# Allegro board A733_PRO2_AXP318_LPDDR4_4X_200BALL_32X1_V1_1.brd (continued)
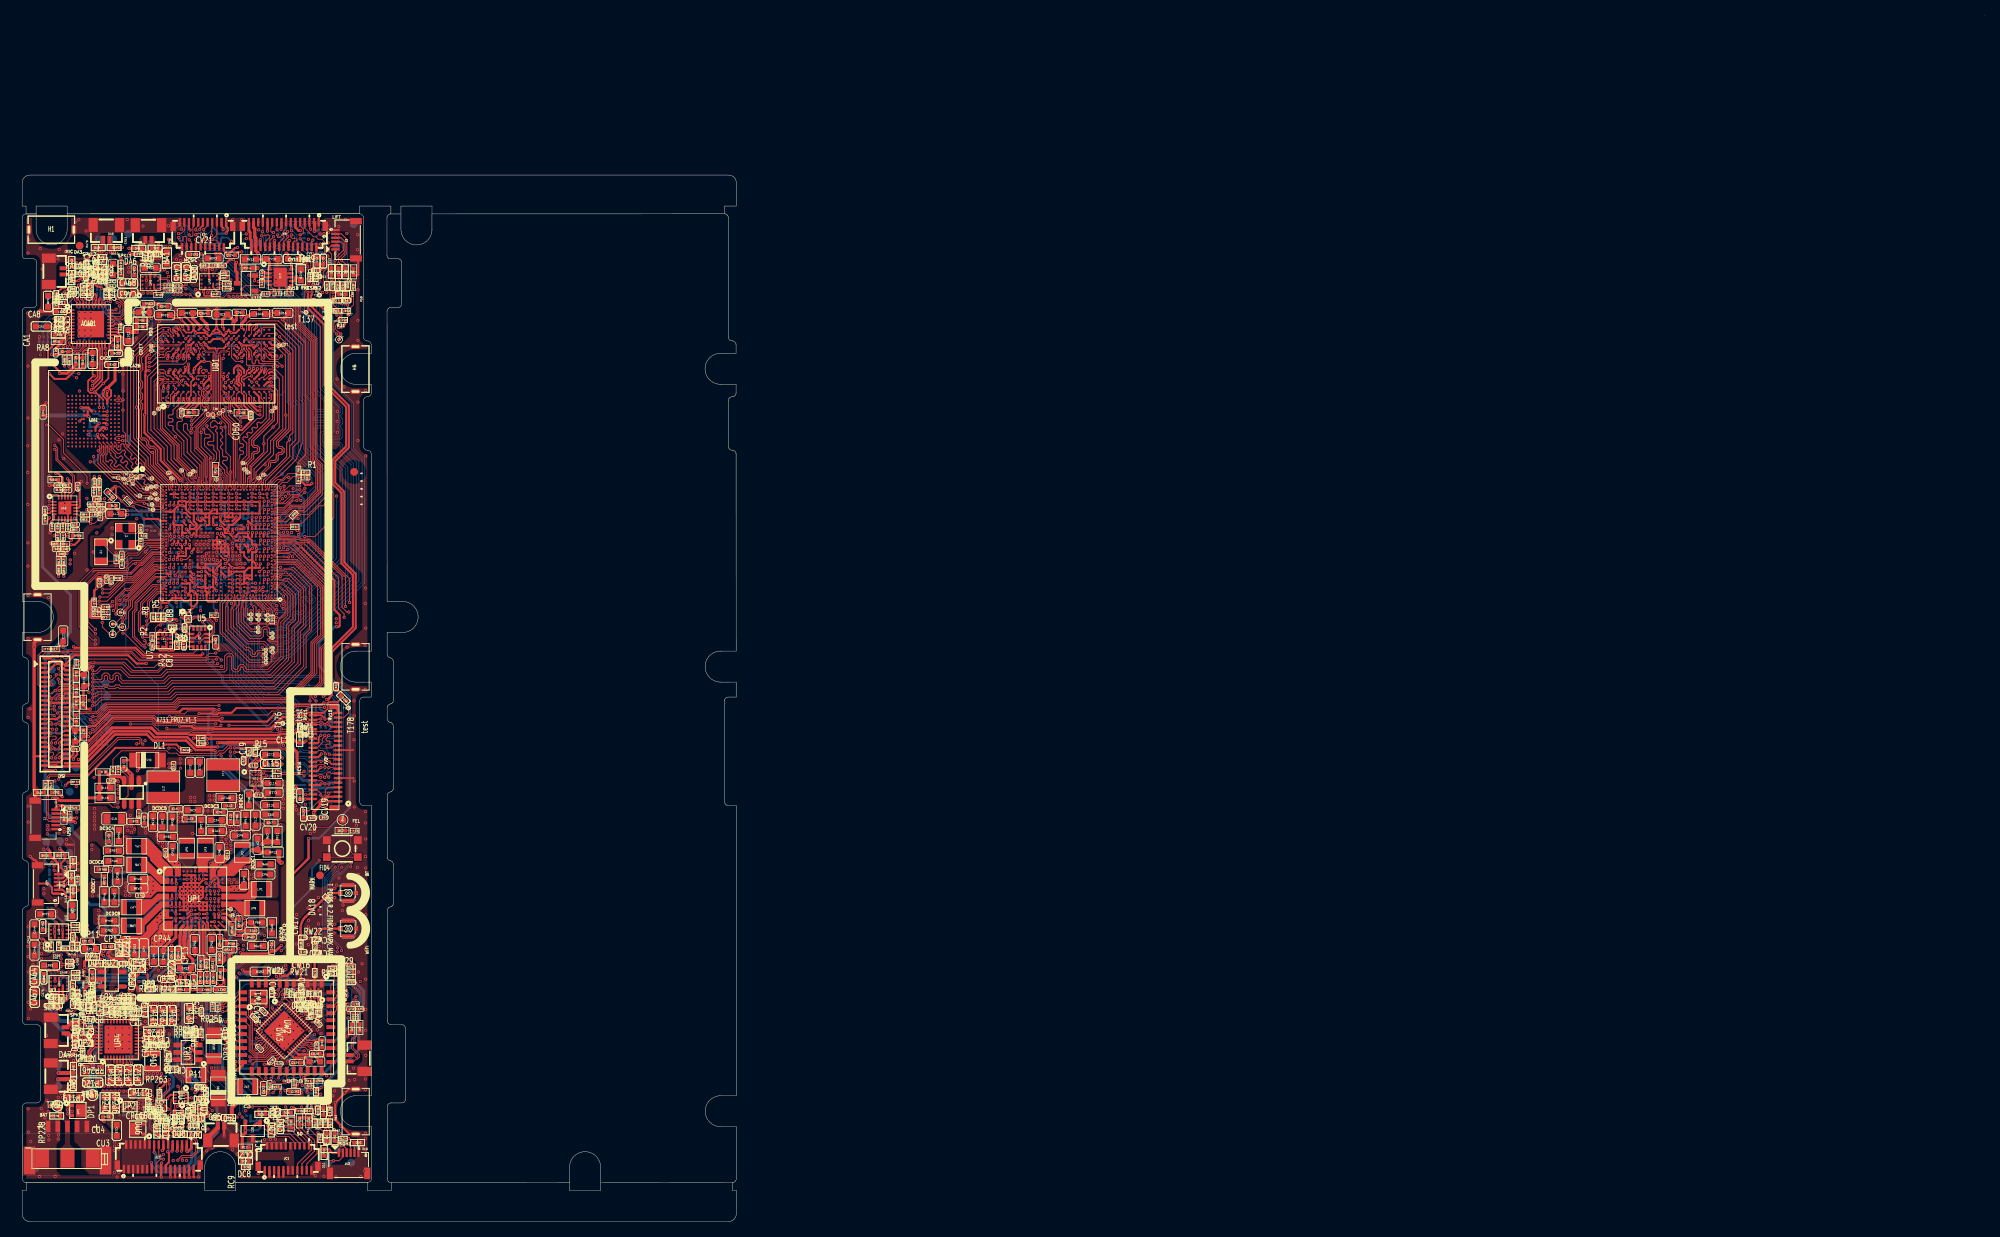
[diagram p0: board, top side]
## Routing (per net, layer and track width the routed paths; a pad name or vN(x,y) marks a point on that pad's centre or on a via; arc(x,y) is an arc through that point) (continued)
  TOP w0.254: 21.32,40.67 v1(21.31,40.66) ; 21.32,40.67 UP1.K7 ; 21.32,40.67 21.32,40.67 UP1.J6 ; v1(21.31,40.66) 21.3,40.67 UP1.K5 ; v1(21.31,40.66) 21.32,40.65 UP1.L6 20.84,40.17 ; v1(20.79,43.19) 20.82,43.22 UP1.D5 21.32,43.67 ; v1(20.79,43.19) 20.81,43.17 ; v1(20.79,43.19) 20.77,43.17 UP1.E4 20.34,43.15 v1(20.34,42.65) ; 26.62,91.39 U1.1Y11 ; 26.62,91.39 26.63,91.39 27.09,91.39 U1.1AA10 ; 26.62,91.39 v1(26.62,91.4) 26.61,91.39 26.16,91.39 U1.1AA12 ; U1.1R7 U1.1R6 ; U1.1R6 29.12,88.84 v1(29.16,88.87) ; U1.1R6 29.62,87.85 U1.1N5 U1.1N4 30.2,87.28 v1(30.2,86.84) 30.2,86.43 U1.1L4 U1.1L5 U1.1J5 U1.1J6 ; v1(3.7,63.02) 3.69,63.02 3.67,63.03 ; U1.1AA14 U1.1AB14 24.65,91.85 v1(24.63,91.88) 24.12,91.38 U1.1AA16 ; CW23.1 31.64,16.74 v1(31.76,16.86) ; CW19.2 28.63,32.23 v1(28.43,32.43) ; D5.1 39.87,121.58 39.93,121.53 v1(39.93,121.51) ; v1(4.25,31.01) 4.25,31.43 4.24,31.44 UA4.B4 ; v1(25.09,112.45) 24.89,112.65 UD1.K9 24.05,112.74 v1(23.7,113.08) 23.7,113.15 UD1.J10 ; v1(2.51,36.46) 2.74,36.46 3.07,36.13 CA55.2 ; U1.J36 18.73,83.6 v1(19,83.33) 19.12,83.46 U1.1F26 ; v1(22.02,79.24) 21.19,78.41 U5.A1 ; CW25.2 32.5,20.35 v1(32.42,20.27) ; U1.1U4 30.1,89.38 30.1,89.79 30.15,89.84 v1(30.15,89.89) ; 21.32,43.67 21.32,43.67 UP1.E6 ; 21.32,43.67 UP1.D7 21.82,43.67 ; v1(32.59,113.07) 32.23,113.07 UD1.AB10 ; 6.94,63.43 CL20.1 6.24,63.93 JL1.28 5.08,63.93 v1(4.85,64.16) ; 6.94,63.43 DL7.1 ; 6.94,63.43 6.99,63.48 DL4.1 6.8,64.47 6.12,65.15 5.37,65.15 5.35,65.13 ; v1(22.32,42.65) 22.32,42.65 UP1.G8 ; v1(22.32,42.65) 22.3,42.67 21.82,42.67 ; v1(22.32,42.65) 22.32,42.65 ; UD1.AB3 32.27,107.85 32.36,107.76 v1(32.36,107.74) ; U1.1AD12 25.73,92.85 v1(25.63,92.95) ; v1(26.63,92.95) 26.73,92.85 U1.1AD10 ; v1(32.76,29.3) 32.76,29.37 32.3,29.83 CW11.1 ; CA24.2 7.58,121.71 v1(7.3,121.42) 7.21,121.34 DA4.1 ; RL7.2 30.06,60.01 v1(30.26,59.82) ; 20.82,42.66 UP1.F5 ; 20.82,42.66 20.81,42.65 v1(20.34,42.65) ; 20.82,42.66 v1(20.82,42.29) ; UP1.F5 21.31,42.67 v1(21.31,42.67) ; UP1.F5 20.82,43.15 20.81,43.17 ; 22.82,40.67 22.78,40.71 v1(22.31,40.71) ; 22.82,40.67 22.84,40.69 v1(22.84,41.12) ; 22.82,40.67 UP1.K9 23.26,40.67 v1(23.29,40.7) ; 22.82,40.67 22.82,40.29 22.94,40.17 UP1.L10 ; v1(40.08,119.88) 40.63,119.88 D1.1 ; CD3.2 14.41,117.3 v1(14.4,117.28) ; UP1.L10 UP1.L11 23.82,40.53 23.82,40.54 23.82,40.69 ; UP1.L10 23.29,40.2 v1(23.29,40.7) ; U7.4 17.54,76 v1(17.78,76.25) ; U1.1AC22 21.1,92.33 20.71,92.33 v1(20.63,92.41) ; v1(27.28,88.29) 27.34,88.35 U1.1R9 ; U1.1K24 U1.1K23 U1.1K22 ; U1.1K24 20.12,86.22 v1(20.22,86.32) ; U1.1K24 20.02,85.74 v1(20.02,85.4) ; U1.1E5 U1.1G5 ; U1.1E5 U1.1D5 ; U1.1E5 29.22,83.35 v1(29.12,83.26) ; U1.1G5 U1.1G4 U1.1G3 ; U1.1G5 29.2,84.35 28.7,83.85 U1.1F7 U1.1E7 U1.1D7 U1.1C7 ; C110.2 38.83,14.6 D7.1 38.84,15.11 38.69,15.26 v1(38.69,15.49) ; DU10.1 22.23,13.47 21.93,13.77 v1(21.93,13.89) 21.93,14.3 CU6.1 22.09,14.47 UU2.C2 ; UD1.E1 20.8,105.83 v1(20.84,105.8) ; CW26.2 29.56,26.67 v1(29.56,27.05) ; RP254.2 21.66,23.99 22.13,24.46 22.25,24.46 RP256.2 ; UD1.G5 22.1,109.88 v1(22.23,110.01) 22.23,110.15 23.04,110.97 v1(23.48,110.97) ; U1.1AD16 23.73,92.85 v1(23.63,92.95) ; 2.13,43.6 3.37,43.6 3.84,43.13 3.84,42.43 3.97,42.3 JA7.6 ; U1.AF36 17.77,90.4 17.52,90.65 15.73,90.65 v1(15.72,90.64) ; v1(16.36,109.79) 16.02,109.79 15.95,109.71 ; U1.1AA17 U1.1Y17 ; v1(30.72,126.68) 30.68,126.65 30.68,126.46 30.73,126.41 JV1.26 ; v1(20.12,92.43) 20.12,92.34 U1.1AB25 ; DL3.1 6.99,67.19 DL6.1 ; C88.2 21.26,76.83 v1(21.51,76.58) ; v1(29.94,121.39) 30,121.44 QV1.2 ; U1.1C17 U1.1D17 U1.1E17 ; v1(20.8,111.3) UD1.E8 ; v1(27.55,108.22) 27.59,108.22 UD1.T3 ; U1.1V21 U1.1U21 22.16,89.35 22.5,89.69 22.5,89.98 U1.1W20 U1.1AA20 ; UP2.A1 13.09,15.21 13.07,15.23 12.98,15.23 v1(12.89,15.32) ; DC2.1 36.4,13.4 v1(36.35,13.36) 36.32,13.39 DC4.1 ; UD1.T10 v1(28.32,113.08) 28.37,113.03 v1(29.79,113.03) ; 1.55,60.01 1.57,60.03 JL1.41 ; RP250.2 18.29,23.34 v1(18.13,23.5) CP124.1 ; RP257.2 19.1,21.6 19.1,21.91 v1(19.05,21.96) ; U1.1E21 22.05,82.93 v1(22.15,82.93) ; v1(23.4,119.99) 23.4,120.19 23.63,120.42 UA2.B1 ; v1(6.07,34.38) 6.07,34.44 5.82,34.69 CA56.2 ; UW2.31 36.81,19.07 v1(36.28,18.54) 36.66,18.16 RW4.1 ; v1(30.12,81.23) 30.02,81.33 29.96,81.33 29.93,81.35 U1.1A5 ; DC3.1 v1(33.26,13.29) ; v1(14.92,29.84) 14.92,29.86 14.89,29.88 14.89,30.1 CP25.1 ; v1(22.31,40.71) 22.28,40.67 UP1.K7 ; v1(22.31,40.71) 22.32,40.72 UP1.J8 ; UP1.F9 22.34,42.67 22.32,42.65 ; UP1.F9 23.26,42.67 23.27,42.66 ; UP1.F9 22.82,42.2 v1(22.84,42.18) ; UP1.F9 22.82,43.17 ; 5.35,65.13 5.04,65.13 v1(4.92,65.25) 4.5,64.83 JL1.25 ; 5.35,65.13 JL1.24 ; C85.2 9.8,79.07 v1(10.04,79.31) 10.07,79.29 10.49,79.29 C84.2 10.5,78.66 R22.1 ; UP1.G8 22.32,42.17 v1(21.85,42.17) ; UP1.G8 UP1.J8 ; UP1.G8 22.34,42.18 v1(22.84,42.18) ; U1.1M22 U1.1M21 21.62,87.27 v1(21.55,87.35) ; CA79.2 CA80.2 v1(3.51,94.98) ; U1.1D15 U1.1C15 U1.1B15 24.24,81.85 v1(24.12,81.74) 23.74,81.74 U1.1B17 ; C95.1 24.55,13.39 v1(24.37,13.56) ; v1(22.88,75.83) 22.8,75.75 22.74,75.75 22.28,75.3 U2.6 ; C89.2 24.95,74.14 25.26,73.84 25.28,73.84 v1(25.37,73.75) ; 20.84,40.17 20.82,40.18 UP1.K5 ; 20.84,40.17 UP1.L4 ; U1.1A17 23.75,81.23 v1(24.12,81.23) 23.77,80.88 U1.B23 ; UD1.G8 21.77,112.19 v1(21.77,112.24) ; D3.1 40.84,122.11 D2.1 40.81,121.72 40.88,121.66 v1(40.88,121.59) ; v1(21.66,127.94) 21.51,128.09 JV3.17 ; U1.B29 U1.B28 U1.A28 ; CA89.2 4.12,86.83 RA65.1 3.68,87.45 3.68,87.45 v1(3.68,87.53) ; J2.1 v1(40.39,124.85) ; v1(29.82,110.05) 29.82,109.95 29.32,109.45 UD1.V5 ; 21.82,42.67 UP1.F7 21.32,42.67 ; 21.82,42.67 21.82,43.15 v1(21.84,43.17) ; 21.82,42.67 21.82,42.19 21.84,42.17 ; UP1.J8 22.31,41.16 v1(21.85,41.16) ; UP1.J8 22.79,41.17 v1(22.84,41.12) ; v1(32.85,123.43) 32.94,123.52 CV10.2 ; v1(25.06,80.02) 25.37,80.33 U1.A19 ; v1(37.36,95.24) 37.18,95.06 36.46,95.06 36.01,95.51 R4.1 ; UD1.AB8 32.04,111.85 v1(32.28,111.61) ; U1.1Y8 27.99,90.72 27.99,90.71 27.75,90.47 27.74,90.47 U1.1W9 U1.1V10 U1.1V11 26.62,89.54 v1(26.54,89.46) 26.44,89.35 U1.1U12 U1.1T12 26.5,88.85 v1(26.57,88.92) ; CA16.1 8.24,124.03 8.96,124.75 v1(8.96,124.76) ; UD1.P12 26.3,114.7 v1(26.29,114.7) 26.29,114.54 UD1.N11 25.62,114.63 v1(25.55,114.63) 25.55,114.78 v1(25.05,115.28) 24.61,114.84 v1(24.61,114.68) 24.19,114.25 UD1.K11 23.82,114.49 v1(23.82,114.69) 23.45,115.05 UD1.J12 ; JV3.20 20.61,125.81 20.04,125.81 19.13,126.71 v1(18.87,126.71) ; v1(28.32,112.28) 28.32,112.22 UD1.T8 ; 23.27,42.66 23.27,42.83 23.32,42.89 UP1.E10 22.84,43.17 v1(22.83,43.18) ; 23.27,42.66 23.27,42.47 23.32,42.42 UP1.G10 ; CP58.1 29.71,37.16 CP55.1 30.05,38.06 CP59.1 28.82,38.58 v1(28.76,38.52) 28.68,38.44 28.61,38.44 28.3,38.13 CP2.1 ; v1(31.24,88.85) 31.12,88.74 U1.1R2 ; DC1.1 34.52,12.98 v1(34.12,13.38) 33.81,13.7 DC6.1 ; v1(22.37,114.65) 22.37,114.78 UD1.G12 22.1,115.46 v1(22.17,115.53) ; U1.1A21 22.05,81.35 v1(22.17,81.23) 22.28,81.13 22.31,81.13 22.57,80.87 U1.B26 ; UP1.B7 21.82,44.21 v1(21.78,44.17) 21.82,44.13 21.82,43.67 ; UP1.B7 21.27,44.67 v1(21.22,44.71) 21.18,44.67 UP1.B5 ; UP1.B7 UP1.B8 22.32,44.18 v1(22.31,44.17) 22.32,44.16 UP1.E8 ; 6.55,48.62 5.78,48.62 v1(5.7,48.7) ; UD1.D11 20.15,114.41 v1(19.86,114.7) ; UD1.G10 21.69,113.05 21.22,113.05 v1(21.18,113.08) ; v1(31.64,12.38) 31.78,12.24 32.11,12.24 DC7.1 ; UD1.Y8 v1(30.25,111.56) ; 21.84,42.17 UP1.G6 ; 21.84,42.17 v1(21.85,42.17) ; UP1.G4 20.32,42.63 v1(20.34,42.65) ; UP1.G4 20.7,42.17 v1(20.82,42.29) ; UP1.G4 20.32,41.84 20.49,41.67 20.66,41.67 20.66,41.67 UP1.H5 ; 20.82,41.16 20.83,41.17 UP1.J6 ; 20.82,41.16 UP1.K5 ; 20.82,41.16 UP1.H5 ; v1(19.74,109.86) 19.5,109.62 UD1.C5 19.5,109.33 v1(19.81,109.02) 19.81,108.99 UD1.D4 ; 32.47,5.73 32.48,5.74 JC1.5 ; v1(21.84,43.17) 21.84,43.65 21.82,43.67 ; v1(21.84,43.17) 21.84,43.17 UP1.E6 ; v1(21.84,43.17) 22.32,43.17 UP1.E8 ; 21.32,42.67 v1(21.31,42.67) ; 21.32,42.67 21.32,42.66 UP1.G6 ; v1(21.31,42.67) 21.31,43.16 UP1.E6 ; v1(40.22,11.89) 40.3,11.8 D9.1 ; v1(24.16,109.01) 24.16,108.76 UD1.K4 ; v1(29.27,111.32) 29.25,111.34 UD1.V8 ; J2.7 43.33,123.97 43.33,122.17 43.26,122.1 D4.1 ; UP1.H5 v1(21.32,41.67) UP1.H7 21.82,41.67 ; UP1.H5 20.82,42.28 ; UP5.C2 18.4,14.96 18.83,14.53 v1(18.83,14.47) ; v1(41.96,23.93) 42.49,24.46 DA2.1 ; v1(42.11,26.91) 42.15,26.95 CA12.2 ; 21.82,43.67 22.82,43.67 ; 20.82,42.28 v1(20.82,42.29) ; 20.82,42.28 20.93,42.17 UP1.G6 ; v1(39.26,18.79) 38.67,19.39 UW2.33 ; v1(21.85,41.16) 21.84,41.17 UP1.J6 ; v1(21.85,41.16) 21.85,41.64 21.82,41.67 ; v1(21.85,41.16) 21.82,41.13 UP1.K7 ; v1(22.84,41.12) 22.89,41.17 UP1.J10 ; v1(22.84,41.12) 22.84,41.65 22.82,41.67 ; RW33.2 35.33,17.55 35.52,17.74 v1(35.52,17.79) ; CW28.1 31.71,20.28 v1(31.21,20.28) ; CV17.2 35.81,55.61 v1(35.24,56.18) ; U1.1AD8 27.73,92.85 v1(27.63,92.95) ; v1(4.24,30.33) UA4.B1 4.24,29.57 v1(4.21,29.54) ; UD1.Y12 30.55,114.97 v1(30.22,114.65) 29.9,114.32 UD1.W11 ; 22.82,41.67 22.82,42.17 v1(22.84,42.18) ; 22.82,41.67 UP1.H9 23.1,41.67 23.32,41.9 23.32,42.17 UP1.G10 ; 22.82,41.67 21.82,41.67 ; DA13.1 7.03,46.17 7.18,46.17 v1(7.19,46.19) ; U1.1H14 U1.1H17 U1.1G17 v1(23.13,84.35) U1.1G19 U1.1H19 ; DU12.1 17.37,12.11 17.22,12.27 v1(16.86,12.27) ; 27.3,102.02 27.3,102.11 28.31,102.11 29.46,103.26 CD50.2 29.4,103.67 v1(28.18,103.67) ; v1(30.54,14.44) 30.48,14.38 DC5.1 ; v1(17.87,113.79) UD1.A10 ; U1.1AD18 22.73,92.85 v1(22.63,92.95) ; 22.82,43.67 UP1.D9 22.93,43.67 23.26,44 23.26,44.03 v1(23.4,44.17) UP1.C11 ; 22.82,43.67 22.82,43.19 v1(22.83,43.18) ; UP1.E8 22.32,42.65 ; UP1.E8 22.82,43.17 22.82,43.17 ; v1(23.29,40.7) 23.32,40.73 UP1.J10 ; v1(23.29,40.7) 23.81,40.7 23.82,40.69 ; v1(19.35,111.48) 19.5,111.64 UD1.C8 19.5,111.86 v1(19.87,112.23) 20.15,112.51 UD1.D9 ; CL19.2 7.09,60.26 6.6,59.77 v1(6.6,59.65) ; v1(28.63,92.95) 28.73,92.85 U1.1AD6 ; U1.1V25 19.62,89.36 v1(19.63,89.35) 19.62,89.34 U1.1T25 ; U1.1V25 19.51,89.97 19.51,90.27 v1(19.6,90.36) ; U1.1V25 U1.1V24 U1.1V23 ; v1(3.59,88.85) 3.86,89.12 CA91.2 ; v1(39.54,64.87) 39.54,64.9 40.26,65.62 JV2.39 40.73,65.94 JV2.40 ; UD1.T12 27.56,114.67 v1(26.94,114.67) ; UD1.W4 30.55,109.3 UD1.Y5 30.83,109.74 v1(30.83,110.03) ; UP1.J6 UP1.G6 ; v1(23.96,117.68) 23.95,117.67 CD54.2 ; v1(27.22,124.1) 26.79,124.1 CA36.2 ; v1(38.53,56.46) 38.38,56.32 JV2.8 ; v1(10.93,102.86) 10.78,103.01 UM1.G5 ; v1(28.32,125.11) 27.88,125.11 CV24.2 ; UP1.E6 20.81,43.17 ; UA3.B1 4.22,37.09 4.18,37.13 4.18,37.19 v1(4.19,37.2) 4.18,37.2 4.18,37.7 v1(4.19,37.71) 4.18,37.71 4.18,38.07 UA3.B4 ; RD5.2 25.02,97.45 v1(25.5,96.97) ; v1(22.84,42.18) 22.85,42.17 UP1.G10 ; H2.1 42.11,17.08 v1(40.37,15.34) 40.37,13.11 42.2,11.28 H2.2 ; v1(22.83,43.18) 22.82,43.17 ; v1(29.4,115.7) 29.25,115.55 UD1.V12 ; v1(26.26,106.8) UD1.N2 ; v1(18.23,107.49) 18.23,107.5 18.22,107.52 18.22,107.84 UD1.A3 ; v1(25.94,109.01) 26,108.95 UD1.N4 ; UD1.D2 v1(19.78,106.68) 19.5,106.4 UD1.C1 19.5,105.68 v1(19.54,105.64) ; U1.1T22 U1.1T23 20.62,88.5 v1(20.71,88.41) ; UD1.E5 21.03,109.68 v1(21.03,110.21) ; UM1.E7 9.46,102.51 v1(9.93,102.98) ; C37.2 12.16,83.03 RW38.1 ; CA100.2 v1(5.91,88.89) ; 22.11,5.78 JU1.31 ; UV1.9 33.79,122.33 UV1.11 UV1.8 ; 21.82,41.67 21.82,42.14 v1(21.85,42.17) ; 23.82,40.69 23.82,40.89 23.82,40.9 UP1.J11 UP1.J10 ; v1(10.37,82.14) 10.35,82.16 C20.2 ; 15.95,109.71 15.95,111.53 16.28,111.86 v1(16.4,111.86) ; 15.95,109.71 15.9,109.66 15.9,109.16 15.88,109.14 15.88,104.22 v1(15.77,104.1) 15.77,101.76 16.59,100.94 v1(16.59,100.93) 17.86,99.66 17.86,98.18 20.37,95.67 v1(20.37,95.58) ; UD1.N9 26.34,112.99 v1(26.34,113.06) 26.65,113.37 UD1.P10 ; 10.3,31.21 9.61,31.21 9.5,31.32 CU2.1 9.03,30.57 RU8.2 8.58,30.5 8.08,30.01 v1(8.08,29.39) ; v1(26.96,107.48) 26.65,107.79 UD1.P3 ; JV2.20 38.17,59.92 v1(38.58,60.32) ; CA27.2 4.41,117.48 RA13.2 ; CV1.2 38.47,122.69 v1(38.67,122.9) 38.82,123.04 CV2.2 38.81,123.48 CV5.2 ; v1(32.41,109.62) 32.02,109.62 UD1.AB5 ; v1(24.63,92.95) 24.73,92.85 U1.1AD14 ; UD1.K2 24.05,106.99 v1(23.83,106.77) ; U7.8 U7.9 18.59,74.59 18.61,74.61 v1(18.61,74.63) ; v1(5.91,42.75) 5.92,42.75 6,42.83 DA16.1 ; v1(21.79,103.82) 21.11,103.82 20.82,104.1 CD51.2 ; JA7.7 1.99,46.31 1.66,46.64 1.51,46.64 v1(1.06,47.09) ; UU3.6 20.24,15.09 v1(20.01,14.86) ; v1(28.04,105.88) 27.95,105.97 UD1.T1 ; UM1.P4 10.96,107.05 v1(10.98,107.07) ; J12.1 39.97,8.86 v1(39.62,9.21) 39.49,9.34 D11.1 ; v1(30.4,55.54) v1(30.03,55.9) 29.73,56.21 29.73,56.26 29.69,56.3 UL1.E1 ; v1(37.82,5.89) 37.28,6.42 JC1.21 ; v1(23.62,89.89) 23.66,89.85 U1.1V16 U1.1W16 U1.1Y16 ; UD1.V1 29.25,105.67 30.32,104.6 v1(30.64,104.6) ; v1(30.61,92.85) 30.62,92.84 U1.1AC3 ; UD1.G3 22.14,107.85 v1(22.38,108.09) ; v1(18.8,79.87) 19.33,80.4 U1.A34 U1.A33 U1.A31 ; UD1.W2 30.55,106.4 UD1.Y1 30.55,105.86 v1(30.75,105.66) ; v1(5.79,86.19) CA83.1 RA61.2 ; U1.1AD22 21.04,92.94 v1(20.61,92.94) ; UD1.G1 22.1,105.86 22.02,105.77 v1(22.02,105.77) ; v1(19.88,87.35) 20.02,87.49 20.02,87.5 20.12,87.61 U1.1P24
  TOP w0.3: JV1.11 35.23,128.23 35.61,127.86 v1(35.86,127.86) ; v1(33.38,128) 33.38,128.23 33.43,128.28 JV1.17 ; JV1.14 34.33,126.39 34.44,126.49 v1(34.44,126.57) ; v1(32.56,126.56) 32.53,126.53 JV1.20 ; JV1.23 31.63,127.79 v1(31.63,127.79)
  TOP w0.305: JU1.30 21.81,9.47 21.39,9.05 v1(21.25,9.05) 21.21,9.1 JU1.28 ; CW22.1 35.83,16.76 v1(36,16.6) ; JC1.22 v1(30.43,6.19) ; v1(30.4,55.54) 30.22,55.36 CL11.1 29.36,54.99 C56.2 29.24,55.12 v1(30.03,55.9) ; v1(22.68,11.9) 22.63,11.86 DU7.1 ; CD45.2 31.8,117.09 31.89,117 31.96,117 v1(32.07,116.89) ; JL1.16 5.54,67.53 5.53,67.52 4.92,67.52 v1(4.85,67.45) ; v1(18.06,9.17) 18.08,9.17 18.21,9.3 JU1.18 ; DA10.1 v1(12.9,125.66) ; CP137.1 10.8,27.89 v1(10.78,27.91) 10.78,28.05 RU7.2 ; R24.2 9.8,78.36 C85.2 ; v1(4.3,58.2) 4.28,58.18 JL1.46 ; JL1.7 3.58,70.23 v1(3.66,70.32) ; DU8.1 19.63,11.24 19.11,11.76 19.11,11.97 v1(19.06,12.03) 19.04,12.03 18.96,12.11 DU11.1 ; UM1.K8 8.96,104.57 8.52,105.01 v1(7.58,105.01) ; CP17.1 11.48,35.06 11.07,34.64 11.07,34.48 v1(11.02,34.43) 11.03,34.43 11.54,33.92 12.92,33.92 13.27,33.57 CU1.1 ; J11.2 26.04,11.03 v1(26.04,11.02) ; v1(8.81,66.12) 8.37,66.12 DL2.1 7.56,66.92 7.55,66.92 7.3,67.17 DL3.1 ; v1(17.98,7.54) 17.91,7.48 JU1.17 17.91,5.77 v1(17.94,5.74) ; v1(39.13,11.84) 39.29,11.68 D8.1 ; v1(16.34,74.42) 16.43,74.51 C96.2 ; v1(5.84,95.83) 6.05,95.62 CA82.2 ; 33.08,5.75 JC1.7 ; v1(36.32,20.49) 36.31,20.5 CW24.2 ; v1(4.6,72.89) 4.59,72.9 3.89,72.9 3.68,72.68 JL1.47 ; JL1.37 3.32,61.23 3.6,60.95 v1(3.73,60.95) ; v1(19.97,9.09) 19.97,9.12 20.01,9.16 JU1.24 ; v1(42.37,119.35) 42.37,119.1 C86.2 ; v1(32.04,119.89) 31.85,119.7 CV15.2 ; CD35.2 11.17,94.06 v1(11.6,94.5) 11.91,94.8 v1(12.09,94.8) ; v1(19.86,114.7) 19.86,114.7 UD1.C12 ; CA76.2 4.89,27.4 v1(4.95,27.34) ; v1(18.37,19.63) 18.89,19.63 CP136.2 ; v1(23.15,16.85) 23.15,16.95 23.08,17.02 CU5.1 ; v1(33.59,116.34) 34.31,117.07 CD16.2 ; v1(3.11,105.62) 2.7,105.22 CM4.2 ; JC1.1 31.28,5.74 ; v1(19.31,9.09) 19.31,9.1 19.41,9.2 JU1.22 ; JU1.26 20.61,9.16 v1(20.54,9.09) ; CP22.1 20.34,32.5 20.9,31.94 20.9,31.91 v1(21.01,31.8) ; v1(33.55,59.8) 33.11,60.24 CL12.1 ; v1(25.1,30.72) 24.91,30.92 CP35.1 ; 33.68,5.77 JC1.9 ; JL1.40 5.29,60.33 v1(4.78,59.83) ; v1(4.64,53.65) 4.32,53.34 J1.1 ; DA7.1 v1(6.62,20.77) ; v1(23.06,16.29) 22.65,15.88 DU9.1 ; CA37.2 24.42,123.24 24.51,123.15 v1(24.51,122.82) ; CD3.2 15.71,118.01 CD55.2 ; v1(3.7,63.02) 3.69,63.03 JL1.31 ; C87.2 v1(20.47,74.54) 20.44,74.57 R36.1 19.64,76.08 R43.1 ; 20.95,5.68 20.91,5.71 JU1.27 ; v1(17.56,126.1) DA5.1 17.72,125.4 CA54.2 ; v1(5.16,54.8) 4.69,55.27 DU2.1 ; JU1.25 20.31,5.72 20.33,5.7 ; v1(21.55,5.74) 21.51,5.77 JU1.29 ; DA12.1 6.87,21.99 v1(6.19,21.31) ; v1(15.97,13.58) 15.87,13.58 15.82,13.52 CP115.2 ; DL5.1 7.21,70.91 7.63,70.48 CL18.1 7.99,70.68 8.9,71.59 9.07,71.59 v1(9.12,71.64) ; JU1.21 19.11,5.75 v1(19.12,5.74) ; CA99.2 8.75,91.86 RA69.1 ; 19.72,5.73 19.71,5.73 JU1.23 ; JL1.34 5.21,62.13 v1(4.81,61.73) ; 2.32,117.61 2.55,117.38 3.83,117.38 3.85,117.41 CA27.2 ; v1(26.96,22.5) 26.96,22.61 26.17,23.4 CW15.1 ; v1(3.8,111.84) CA14.2 4.35,111.82 4.71,111.82 5.12,112.24 CA4.1 ; v1(18.1,119.8) 17.85,119.54 RA49.1 ; 31.88,5.79 JC1.3 ; 22.17,5.73 22.11,5.78
  TOP w0.381: CD5.2 28.45,116.88 28.26,116.7 v1(28.24,116.7) ; v1(8.24,23.71) 8.24,23.91 7.86,24.29 CP129.1 ; v1(21.75,22.54) 21.75,22.41 22.34,21.82 UP3.2 ; C135.2 11.19,56.16 RL11.2 ; RU6.2 5.38,53.44 5.17,53.65 v1(4.64,53.65) ; v1(22.33,25.18) RP256.2 ; v1(25.08,117.73) 25.07,117.72 CD1.2 ; DA6.1 13.79,125.55 v1(13.77,125.56) ; v1(6.85,51.46) 6.67,51.64 5.85,51.64 5.76,51.73 DU1.1 ; CP12.1 8,35.29 CP11.1 ; CP40.1 v1(22.26,34.38) ; CP35.1 CP33.1 CP29.1 22.8,30.92 22.43,30.55 CP48.1 21.35,30.55 21.13,30.77 CP140.1 21.04,30.89 21.04,31.74 21.01,31.77 v1(21.01,31.8) ; v1(13.88,124.93) 14,124.8 CA53.2 ; CL7.1 12.98,58.45 RL13.1
  TOP w0.406: J1.7 1.67,55.08 1.81,55.22 ; v1(10.56,12.89) 10.4,13.06 CU4.2 ; H3.1 1.55,74.64 v1(1.55,74.1) 1.55,55.73 DU3.1
  TOP w0.508: v1(14.1,55.93) UL2.2 14.1,57.64 v1(13.93,57.82) 13.16,58.59 CL7.1 ; v1(6.44,24.83) DA11.1 ; UW2.20 27.54,22.37 27.41,22.5 v1(26.96,22.5)
  L3 w0.254: 8.64,68.53 8.64,68.29 v1(8.61,68.26) ; 35.04,53.9 35.22,53.71 v1(35.22,53.64) 35.36,53.5 v1(35.36,53.11) 35.69,52.78 v1(35.69,52.62) ; v1(37.15,50.06) 37.43,50.34 v1(37.66,50.34) ; 33.66,54.91 33.66,54.91 v1(33.66,54.51) v1(33.66,53.92) v1(33.66,53.31) ; 34.99,55.98 35.2,56.18 v1(35.24,56.18) ; v1(8.63,67.25) 8.6,67.28 8.6,67.75 ; v1(34.92,54.28) 34.93,54.29 v1(34.93,54.85) 34.93,55.16 34.93,55.17 ; v1(9.12,71.64) 9.12,71.92 9.08,71.95 ; 6.08,34.13 6.08,34.36 v1(6.07,34.38) ; v1(8.81,66.12) 8.62,66.3 8.62,66.68
  L4 w0.102: 16.97,86.73 17.25,87.01 19.54,87.01 v1(19.88,87.35) ; v1(20.22,86.32) 19.89,86.65 17.99,86.65 17.53,86.19 ; 35.66,97.36 35.69,97.4 v1(35.69,97.66)
  L4 w0.127: v1(3.41,80.5) 3.04,80.87 H3.2
  BOTTOM w0.102: v1(37.36,95.24) 37.36,95.92 35.69,97.59 v1(35.69,97.66) 34.49,98.87 v1(34.49,100.86) 33.99,101.36 v1(33.99,104.04) 33.93,104.1 33.93,107.19 ; v1(32.03,106.65) 33.4,106.65 33.93,107.19 ; v1(33.59,116.34) 33.93,116 33.93,107.19
  BOTTOM w0.203: CV4.2 38.44,126.1 v1(38.44,126.1) ; CD26.2 19.43,111.4 v1(19.35,111.48) ; v1(7.84,60.68) 8.08,60.68 8.09,60.69 8.68,60.69 9.54,61.55 RL18.2 RL42.2 RL38.1 ; v1(19.54,105.64) 19.54,105.64 CD23.2 ; v1(39.45,126.28) 39.36,126.37 CV6.2 ; v1(7.3,129.28) 6.67,128.65 H1.1 ; v1(39.48,127.6) 39.1,127.98 CV7.2 ; 22.79,82.55 23.1,82.24 23.17,82.24 ; v1(26.98,126.47) 26.5,126.95 CV25.2 ; CD47.2 27.85,108.51 v1(27.55,108.22)
  BOTTOM w0.254: v1(32.41,109.62) 32.7,109.33 CD8.2 ; CD49.2 28.28,116.66 v1(28.24,116.7) ; CD40.2 22.13,93.38 22.46,93.06 22.52,93.06 v1(22.62,92.95) ; C32.2 24.21,84.56 C31.2 ; C32.2 23.6,84.54 C109.2 ; C32.2 23.55,84.56 23.52,84.54 23.33,84.35 v1(23.13,84.35) ; v1(29.12,83.26) 28.55,83.84 C19.2 28.47,83.83 C14.2 27.25,83.83 v1(27.14,83.71) 27.02,83.84 C18.2 26.72,83.87 C76.2 ; v1(23.62,89.89) 23.71,89.8 C53.2 C52.2 ; v1(21.03,110.21) 21.03,110.05 CD48.2 ; v1(30.83,110.03) 30.81,110 CD25.2 ; CM8.2 21.23,91.81 v1(20.63,92.41) ; C258.2 C259.1 13.51,84.09 v1(13.58,84.16) 13.58,84.96 v1(13.5,85.04) 13.52,85.06 C257.2 ; v1(30.3,113.08) 30.35,113.13 CD21.2 ; 23.47,82.07 23.47,82.06 v1(23.18,81.76) ; C17.2 31.66,88.37 31.34,88.68 31.34,88.75 v1(31.24,88.85) ; v1(23.83,106.77) 23.88,106.72 CD7.2 ; v1(30.25,111.56) 30.49,111.8 CD33.2 ; C31.2 24.21,84.06 v1(24.23,84.05) ; C31.2 C30.2 25.56,84.56 C29.2 ; CD12.2 25.07,112.43 v1(25.09,112.45) ; CD28.2 29.51,113.31 v1(29.79,113.03) ; C41.2 21.71,89.81 C43.2 22.93,89.81 C44.2 ; RL47.1 3.77,72.95 3.85,73.03 4.46,73.03 v1(4.6,72.89) ; v1(32.36,107.74) 32.34,107.72 CD20.2 ; v1(30.22,114.65) 30.43,114.85 CD29.2 ; v1(22.88,75.83) 22.88,76.02 22.85,76.05 R37.2 21.72,76.78 v1(21.51,76.58) ; v1(15.72,90.64) 15.72,90.09 15.73,90.08 C21.2 16.56,89.72 C40.2 ; CV23.2 24.57,126.08 24.74,125.9 25.38,125.9 25.51,126.03 25.51,126.15 CV22.2 25.63,126.78 CV25.2 ; CD18.2 17.34,108.12 v1(17.45,108.23) ; C129.2 28.78,87.29 C111.2 27.99,86.79 v1(27.91,86.86) ; CL16.2 5.14,63.22 4.96,63.04 3.73,63.04 v1(3.7,63.02) 3.69,63.03 3.66,63.03 3.41,63.29 3.41,64.39 3.42,64.41 CL17.2 ; CD10.2 32.94,112.72 v1(32.59,113.07) 32.55,113.11 CD30.2 ; v1(22.02,105.77) 22.02,105.76 CD14.2 ; v1(30.15,89.89) 30.25,89.99 30.25,90.08 30.32,90.15 C9.2 ; v1(26.59,85.85) 26.59,85.63 C67.2 ; R11.2 19.33,82.76 18.83,82.76 18.55,82.47 R10.2 ; C8.2 22.5,83.27 v1(22.15,82.93) 22.28,82.8 22.32,82.8 22.46,82.66 C6.2 ; 22.7,91.48 22.7,91.49 22.09,91.49 ; C39.2 20.06,88.91 19.77,89.2 19.77,89.21 v1(19.63,89.35) 19.56,89.43 RM9.1 ; C10.2 20.12,90.46 C74.2 19.63,90.33 v1(19.6,90.36) ; v1(35.24,56.18) 35.37,56.32 CV3.2 ; v1(19.87,112.23) 19.9,112.25 CD19.2 ; C23.2 20.1,81.8 19.78,81.8 v1(19.2,81.23) ; v1(33.16,90.84) 33.71,91.39 TP42.1 ; C58.2 C75.2 29.1,88.93 29.12,88.91 ; CD6.2 17.87,113.28 v1(17.87,113.79) 17.93,113.86 CD27.2 ; v1(15.88,86.39) 16.14,86.66 C47.1 ; C16.2 29.12,88.91 ; 29.12,88.91 v1(29.16,88.87) 29.13,88.84 C15.2 29.13,88.04 C13.2 ; v1(24.06,37.62) 23.86,37.82 CP21.1 ; CV8.1 38.36,66.16 RV21.2 38.65,65.98 38.77,65.86 38.78,65.86 38.92,65.72 38.92,65.71 39.03,65.6 39.03,64.83 v1(39.04,64.82) ; C132.2 30.27,86.77 v1(30.2,86.84) ; v1(8.78,98.02) 9.34,98.02 9.8,98.48 RM3.1 ; v1(24.61,114.68) 24.75,114.54 CD15.2 25.47,114.54 v1(25.55,114.63) ; CD13.2 26.27,106.79 v1(26.26,106.8) ; v1(24.12,81.74) 24.15,81.76 C128.2 ; CD56.2 29,90.67 C133.2 29.16,90.83 C49.2 28.95,91.32 CD58.2 ; v1(23.48,110.97) 23.47,110.99 CD9.2
  BOTTOM w0.305: v1(22.62,91.93) 22.7,91.85 22.7,91.48 23.23,91.48 CD41.2 ; R66.1 22.48,80.92 v1(22.17,81.23) 21.67,81.73 C22.2 ; CD22.2 19.76,114.8 v1(19.86,114.7) ; v1(8.96,124.76) 9.23,125.03 CA77.2 ; v1(3.8,111.84) 3.84,111.88 CA33.2 ; RA36.2 5.71,46.52 5.87,46.35 v1(5.91,46.35) ; 24.73,96.2 25.07,96.55 25.07,96.61 25.33,96.86 25.39,96.86 v1(25.5,96.97) ; v1(28.37,13.47) 28.9,12.94 RC8.2 ; C48.2 20.21,86.31 v1(20.22,86.32) ; CD52.2 26.41,112.99 v1(26.34,113.06) ; C35.2 25.45,87.93 v1(25.55,87.83) ; v1(30.2,84.85) 30.01,84.85 C59.2 C60.2 C66.2 29.99,86.36 30.2,86.57 v1(30.2,86.84) ; v1(13.79,22.3) 14.08,22.01 RP248.2 RP247.2 ; RL23.2 6.07,64.23 5.82,64.48 RL22.2 5.82,64.93 5.58,65.17 5.07,65.17 4.99,65.25 v1(4.92,65.25) ; CD53.2 21.65,112.36 v1(21.77,112.24) ; v1(24.12,81.23) 23.79,80.89 R68.1 ; RA34.1 4.72,42.94 ; C44.2 23.02,89.89 v1(23.62,89.89) 23.6,89.91 C80.2 ; v1(25.5,95.4) 25.61,95.29 CD39.2 25.61,95.03 CD36.2 ; v1(9.93,102.98) 9.87,103.04 RM6.2 ; C12.2 C13.2 29.18,87.79 C129.2 ; CV14.2 31.54,121 RV20.1 32.63,120.96 v1(32.72,120.86) ; v1(29.82,110.05) 29.82,110.06 CD31.2 ; CA78.2 12.8,125.56 v1(12.9,125.66) ; RM2.1 7.91,104.68 v1(7.58,105.01) ; 3.77,42.93 3.51,43.18 RA35.1 ; v1(29.63,92.92) 29.55,92.85 29.44,92.85 29.16,92.57 C49.2 ; C5.2 14.75,91.2 C38.2 15.39,91.19 C50.2 15.4,90.96 v1(15.72,90.64) ; v1(30.83,110.03) 30.83,110.24 CD24.2 ; 26.12,92.55 26.12,92.56 26.45,92.88 26.55,92.88 v1(26.63,92.95) ; 26.12,92.55 CD43.2 ; 26.12,92.55 25.8,92.87 25.71,92.87 v1(25.63,92.95) ; CM6.2 8.67,101.38 v1(8.52,101.54) 8.73,101.75 CM1.2 ; v1(20.8,111.3) 20.94,111.44 CD11.2 ; v1(22.02,79.24) 21.79,79.01 C93.2 C92.2 ; v1(22.02,79.24) 21.27,79.99 R48.1 21.09,79.97 R14.1 20.48,79.97 R67.1 ; v1(22.02,79.24) 22.11,79.33 C7.2 ; R7.2 18.61,78.18 R9.2 18.86,78.2 C97.2 19.43,79.23 v1(18.8,79.87) ; CA34.2 2.21,114.13 v1(2.24,114.16) ; CD32.2 22.28,114.55 v1(22.37,114.65) ; CD58.2 CD56.2 ; CM7.2 26.57,88.21 v1(26.11,87.75) 26.53,87.33 26.54,87.31 v1(26.54,87.3) 26.54,87.29 26.54,87.28 26.53,87.26 26.53,87.23 v1(26.16,86.86) 26.57,86.45 C65.2 26.57,85.87 v1(26.59,85.85) 26.19,85.85 C28.2 25.96,86.43 25.68,86.71 25.68,87.15 v1(25.55,87.27) 25.5,87.32 C46.2 ; C82.2 27.76,89.91 C79.2 26.54,89.91 CD57.2 26.51,89.49 v1(26.54,89.46) ; v1(26.54,89.46) 26.39,89.3 C83.2 ; v1(26.54,89.46) 26.54,88.95 v1(26.57,88.92) ; v1(23.13,84.35) 23.03,84.46 C55.2 22.64,84.47 C36.2 ; v1(26.62,91.4) 26.42,91.2 CD44.2 ; CV13.2 30.42,126.39 v1(30.72,126.68) ; C116.2 27.09,83.67 v1(27.14,83.71) ; C68.2 27.28,88.1 v1(27.28,88.29) ; CD34.2 18.25,107.48 v1(18.23,107.49) ; RA33.2 2.96,47.74 2.79,47.9 v1(2.79,48.03) ; CM5.2 CM2.2 13.83,100.28 v1(13.62,100.07) ; R13.1 19,83.34 v1(19,83.33) 19.42,82.92 R11.2
  vias: v1(0.76,124.95) v1(0.73,117.21) v1(0.73,113.73) v1(0.76,110.39) v1(0.74,103.68) v1(0.73,100.09) v1(0.73,96.65) v1(0.73,92.52) v1(0.74,87.57) v1(0.74,84.56) v1(0.76,80.76) v1(0.77,75.21) v1(0.77,65.05) v1(0.78,53.61) v1(0.78,51.52) v1(0.78,38.02) v1(0.74,35.51) v1(0.76,34.19) v1(0.78,28.29) v1(0.77,14.54) v1(0.78,11.54) v1(0.87,126.68) v1(0.81,32.19) v1(0.81,26.2) v1(1.01,66.15) v1(1.08,27.42) v1(1.1,10.33) v1(1.39,33.67) v1(1.4,33.13) v1(2.15,12.2) v1(2.23,5.8) v1(2.32,125.55) v1(2.46,14.55) v1(2.6,122.87) v1(2.73,13.98) v1(2.93,13.36) v1(3.16,23.96) v1(3.18,15.58) v1(3.3,51.09) v1(3.3,50.55) v1(3.33,14.16) v1(3.4,11.11) v1(3.45,10.54) v1(3.51,32.42) v1(4.26,5.83) v1(4.35,54.09) v1(4.63,124.19) v1(4.66,16.03) v1(4.68,11.16) v1(4.64,10.63) v1(4.78,125.42) v1(4.74,100.86) v1(4.99,16.55) v1(5.2,101.61) v1(5.2,16.01) v1(5.38,98.44) v1(5.57,125.12) v1(5.51,16.74) v1(5.74,49.3) v1(5.86,14.96) v1(5.85,14.41) v1(5.85,13.89) v1(5.93,123.95) v1(5.89,17.15) v1(6.41,16.74) v1(6.44,14.2) v1(6.76,86.21) v1(6.98,56.15) v1(7.04,52.81) v1(7.18,45.35) v1(7.18,42.75) v1(7.34,117.31) v1(7.34,116.54) v1(7.34,115.78) v1(7.34,115.02) v1(7.34,114.26) v1(7.4,107.15) v1(8.01,32.26) v1(8.1,117.31) v1(8.1,116.54) v1(8.1,115.78) v1(8.1,115.02) v1(8.1,114.26) v1(8.25,127.81) v1(8.35,93.29) v1(8.35,84.07) v1(8.86,117.31) v1(8.86,116.54) v1(8.86,115.78) v1(8.86,115.02) v1(8.86,114.26) v1(9.14,86.37) v1(9.28,57.29) v1(9.33,53.31) v1(9.33,52.72) v1(9.33,52.21) v1(9.33,51.7) v1(9.34,51.15) v1(9.34,50.64) v1(9.44,74.51) v1(9.82,36.89) v1(10.13,129.27) v1(10.33,36.89) v1(10.59,91.41) v1(10.55,17.46) v1(10.61,90.8) v1(11.12,24.97) v1(11.12,24.08) v1(11.12,23.19) v1(11.12,22.3) v1(11.16,17.46) v1(11.56,87.58) v1(11.61,89.46) v1(11.59,88.62) v1(11.88,9.18) v1(11.99,17.46) v1(11.92,10.25) v1(11.91,9.71) v1(11.89,6.32) v1(12.01,24.97) v1(12.01,24.08) v1(12.01,23.19) v1(12.01,22.3) v1(12.12,86.27) v1(12.1,84.63) v1(12.25,5.74) v1(12.38,54.61) v1(12.33,54.04) v1(12.44,9.93) v1(12.43,9.35) v1(12.48,6.34) v1(12.62,27.89) v1(12.8,17.46) v1(12.9,24.97) v1(12.9,24.08) v1(12.9,23.19) v1(12.9,22.3) v1(13.38,43.65) v1(13.38,43.14) v1(13.36,42.62) v1(13.33,42.09) v1(13.56,129.27) v1(13.75,123.06) v1(13.75,122.5) v1(13.79,24.97) v1(13.79,24.08) v1(13.79,23.19) v1(13.88,42.07) v1(13.91,17.46) v1(14.46,27.86) v1(14.77,90.68) v1(14.97,86.86) v1(15.07,15.72) v1(15.03,15.2) v1(15.01,14.67) v1(15.58,128.42) v1(15.58,15.05) v1(15.53,14.54) v1(15.59,76.72) v1(15.59,15.56) v1(15.82,78.56) v1(15.84,62.04) v1(15.92,50.67) v1(15.93,50.15) v1(16.02,121.45) v1(16,13.04) v1(16.16,33.78) v1(16.39,28.11) v1(16.54,120.88) v1(16.56,16.67) v1(16.78,16.15) v1(16.81,15.63) v1(16.91,28.1) v1(17.01,129.3) v1(17.41,50.2) v1(17.39,49.69) v1(17.42,28.09) v1(17.57,48.93) v1(17.56,32.42) v1(17.67,116.14) v1(17.97,30.53) v1(18.08,48.41) v1(18.09,48.92) v1(18.45,28.12) v1(18.59,48.7) v1(18.57,48.2) v1(18.73,122.44) v1(18.85,128.47) v1(18.97,28.1) v1(19.48,7.87) v1(19.49,28.09) v1(19.82,117.64) v1(19.91,124.15) v1(19.97,26.64) v1(20.14,52.65) v1(20.12,52.15) v1(20.14,51.62) v1(20.38,124.65) v1(20.37,59.16) v1(20.45,123.99) v1(20.39,59.69) v1(20.57,128.03) v1(20.66,115.53) v1(20.64,52.65) v1(20.63,52.15) v1(20.64,51.62) v1(21.03,123.99) v1(21.19,7.89) v1(22.54,27.67) v1(22.77,5.74) v1(23.07,122.83) v1(23.33,11.87) v1(23.63,122.83) v1(23.79,9.12) v1(23.96,11.91) v1(24.41,19.84) v1(25.14,35.1) v1(25.13,28.52) v1(25.31,40.68) v1(25.67,35.09) v1(25.74,51.18) v1(25.75,49.62) v1(25.72,49.05) v1(26.25,51.18) v1(26.28,49.33) v1(26.26,21.98) v1(26.35,50.2) v1(26.35,48.75) v1(26.39,48.18) v1(26.63,49.74) v1(26.75,50.96) v1(26.83,50.44) v1(26.89,49.06) v1(26.92,48.54) v1(26.92,48) v1(27.15,129.25) v1(27.12,9.24) v1(27.26,50.96) v1(27.41,40) v1(27.49,50.47) v1(27.71,13.47) v1(27.72,8.69) v1(27.86,50.88) v1(28.32,129.25) v1(28.32,5.79) v1(29.23,44.18) v1(29.31,44.73) v1(29.51,78.83) v1(29.56,27.61) v1(29.83,50.41) v1(29.84,44.78) v1(29.8,44.26) v1(30.16,49.99) v1(30.5,127.95) v1(30.53,78.82) v1(30.96,74.04) v1(30.93,72.99) v1(30.98,51.23) v1(31.26,10.57) v1(31.44,27.75) v1(32,10.6) v1(32.11,24.04) v1(32.58,24.64) v1(32.68,23.39) v1(32.65,10.62) v1(32.71,121.51) v1(33.22,25.27) v1(33.24,23.99) v1(33.21,22.86) v1(33.37,36.51) v1(33.76,23.46) v1(33.88,24.62) v1(33.79,22.38) v1(34.34,26.33) v1(34.32,22.9) v1(34.45,25.16) v1(34.4,24.09) v1(34.97,24.62) v1(34.97,23.46) v1(35,25.68) v1(35.35,38.37) v1(35.34,37.07) v1(35.34,35.8) v1(35.34,34.14) v1(35.34,33.25) v1(35.39,39.61) v1(35.39,29.92) v1(35.52,25.14) v1(36.06,24.6) v1(36.56,123.66) v1(36.53,28.84) v1(36.65,29.84) v1(36.8,123.19) v1(36.86,40.45) v1(36.89,38.01) v1(36.89,37.25) v1(36.89,36.49) v1(36.89,35.72) v1(36.89,34.2) v1(36.89,33.44) v1(36.93,38.85) v1(37.72,28.36) v1(37.75,27.03) v1(38.09,24.74) v1(38.2,41.78) v1(38.29,40.18) v1(38.21,38.4) v1(38.29,35.5) v1(38.29,34.15) v1(38.5,57.31) v1(38.53,24.23) v1(38.76,32.26) v1(38.76,28.41) v1(38.87,21.45) v1(38.91,5.83) v1(40.08,16.22) v1(40.24,42.95) v1(40.24,41.8) v1(40.24,38.35) v1(40.22,37.21) v1(40.29,16.86) v1(40.47,5.75) v1(40.52,43.39) v1(40.6,108.7) v1(40.62,104.52) v1(40.61,103.24) v1(40.63,101.83) v1(40.83,128.38) v1(40.85,44.32) v1(40.94,27.29) v1(40.99,17.61) v1(41.04,12.29) v1(41.09,19) v1(41.09,18.31) v1(41.28,40.12) v1(41.36,40.84) v1(41.36,27.81) v1(41.51,107.69) v1(41.5,27.29) v1(41.56,16.6) v1(41.69,129.28) v1(41.87,127.48) v1(41.89,74.1) v1(41.9,44.53) v1(41.98,28.03) v1(42.18,19.26) v1(42.15,18.21) v1(42.79,67.18) v1(42.78,62.17) v1(42.74,19.79) v1(42.81,65.23) v1(42.81,56.82) v1(42.82,53.49) v1(42.87,18.3) v1(43.03,48.21) v1(43.1,51.13) v1(43.26,127.32) v1(43.23,125.39) v1(43.29,120.22) v1(43.28,116.28) v1(43.29,113.69) v1(43.29,105.71) v1(43.29,100.76) v1(43.23,45.68) v1(43.33,44.79) v1(43.37,32.19) v1(43.42,43.75) v1(43.54,40.21) v1(43.67,5.79) v1(43.82,33.26) v1(44.18,6.53) v1(44.28,107.21) v1(44.25,81.72) v1(44.24,79.73) v1(44.22,74.34) v1(44.24,68.64) v1(44.27,52.88) v1(44.27,51.42) v1(44.26,47.09) v1(44.27,35.1) v1(44.28,24.68) v1(44.27,18.39) v1(44.27,17.02) v1(44.27,10.69) v1(44.28,9.27) v1(44.29,98.77) v1(44.29,76.55) v1(44.29,49.36) v1(44.29,45.62) v1(44.29,43.61) v1(44.3,41.64) v1(44.3,39.58) v1(44.32,36.73) v1(44.29,31.27) v1(44.29,27.37) v1(44.29,21.44) v1(44.29,11.39)
